# Altium PCB Copy of 211105 PCB.PcbDoc (part 3 of 3)
Units mm, origin at the board's own origin, x right, y up, seen from the top; angles counter-clockwise.
Board outline 140 x 119 mm, 4 copper layers (Top Layer, Int1 (GND), Int2 (PWR), Bottom Layer), stack 1.369 mm thick; 309 components, 158 nets, 868 pads, 882 vias.
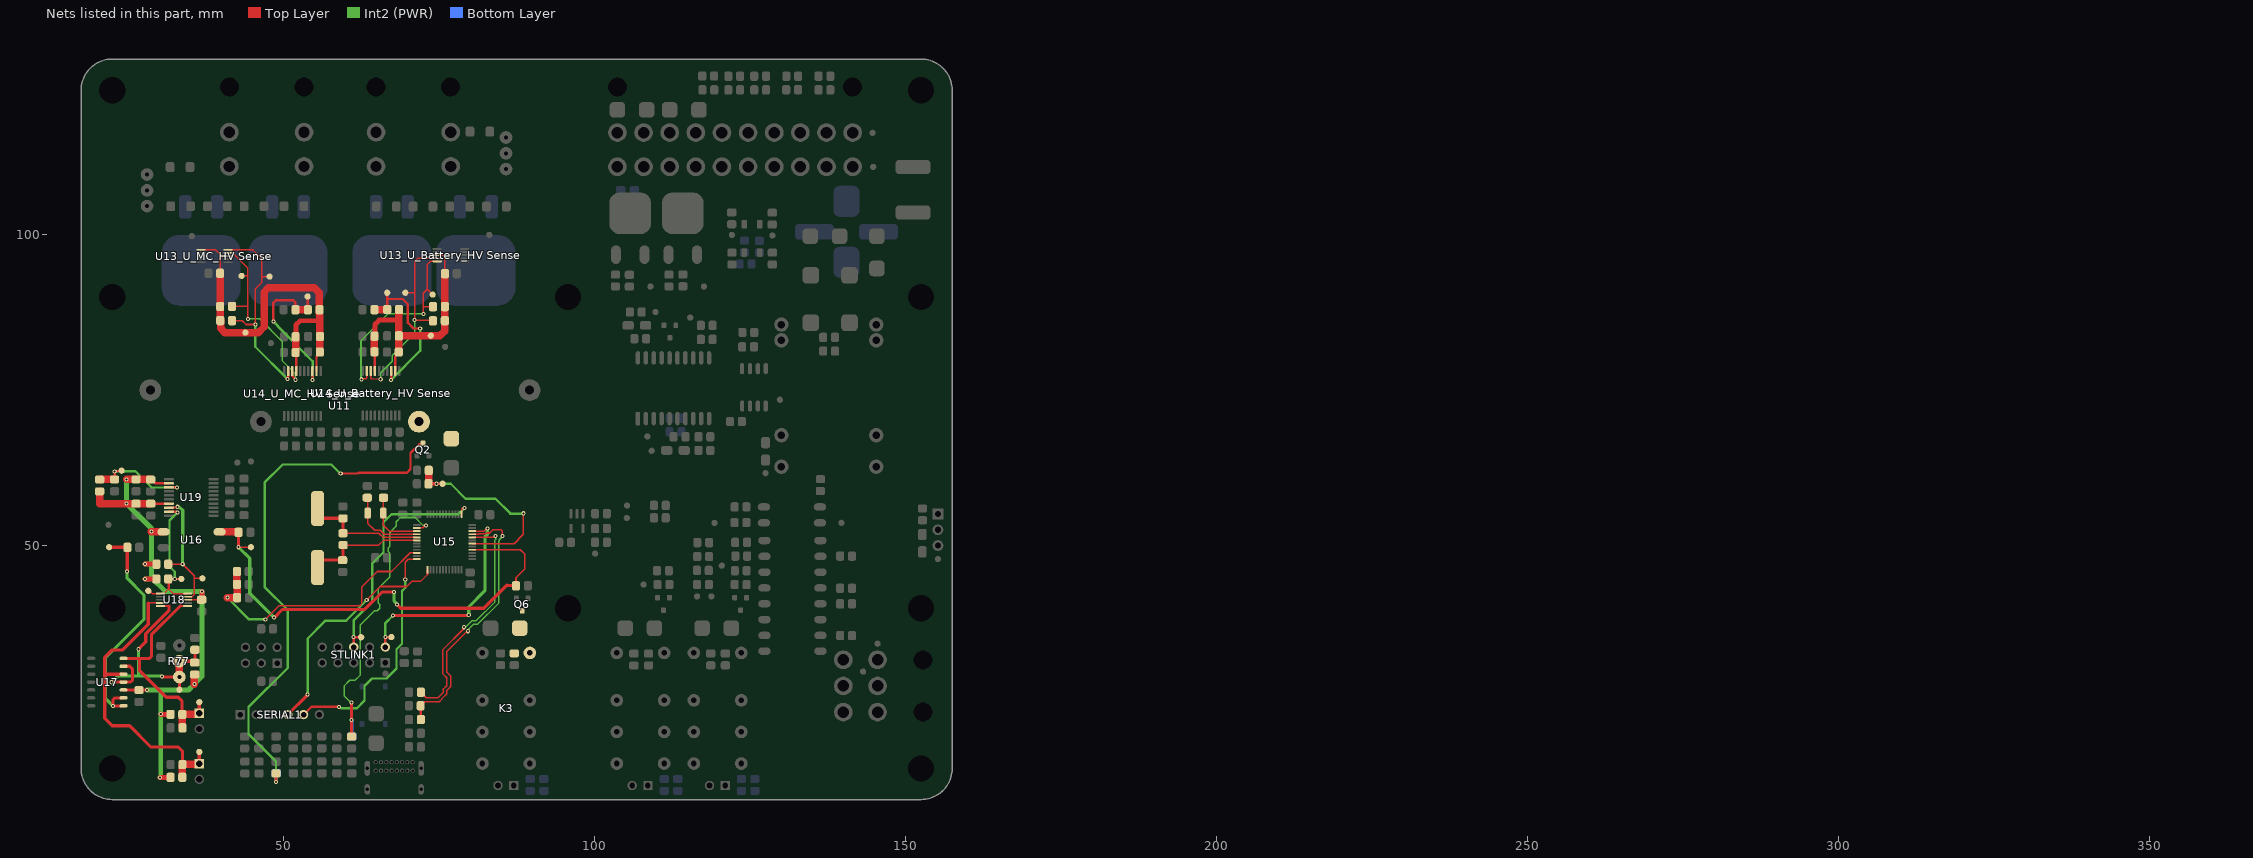
[diagram p5: the nets of this part, all layers, seen from the top]

## Via types
v1: diameter 0.66, hole 0.33, Top Layer to Bottom Layer, tented both sides, 835 vias
v2: diameter 0.66, hole 0.33, Top Layer to Bottom Layer, 47 vias

## Nets (pads, with @x,y where several pads share a name; then routed paths per layer and width w, separated by ;. In a path a pad name is that pad's centre, name@x,y a point inside that pad or via, vN(x,y) a via of type N, cw(c..) or ccw(c..) an arc to the next point about the centre after c; other vN are vias at no path point) (continued)
PC13: R54.1 R88.1 U15.2 | length 49.5
  Top Layer w0.203: U15.2@71.466,52.891 72.411,52.891 72.82,53.3 v1(72.9,53.3)
  Top Layer w0.508: v1(60.95,24.85) 60.979,24.821 60.979,24.68 60.984,24.674 v2(60.984,22.026) 60.984,19.378 R54.1@60.969,19.362
  Int2 (PWR) w0.254: v1(60.95,24.85) 60.85,24.85 59.765,25.935 59.765,27.506 60.681,28.422 61.538,28.422 62.397,29.281 62.397,37.326 64.66,39.589 65.095,39.589 65.511,40.005 65.511,40.595 65.273,40.833 65.273,43.184 67.079,44.99 67.079,48.915 66.889,49.105 66.889,49.695 67.1,49.906 67.1,52.135 68.165,53.2 68.165,53.9 68.844,54.579 71.186,54.579 72.465,53.3 v1(72.9,53.3)
  Bottom Layer w0.508: v2(60.984,22.026) 60.995,22.016 60.995,19.37 R88.1@61.005,19.36
"PCB TEMP": C36.2 R53.1 R84.2 U15.10 | length 43.7
  Top Layer w0.254: v1(47.1,38.2) 49.3,40.4 62.3,40.4 62.636,40.736 62.636,43.436 65.1,45.9 67.4,45.9 70.391,48.891 U15.10@71.466,48.891
  Top Layer w1.2: v1(41,41.7) R53.1@42.572,41.7 ; R84.2@42.55,45.9 C36.2@42.55,43.814 42.562,43.802 42.562,41.71 R53.1@42.572,41.7 ; R53.1@42.574,41.697 R53.1@42.572,41.7
  Int2 (PWR) w0.381: v1(41,41.7) 44.5,38.2 v1(47.1,38.2)
PCH_OC: D9.A D10.K D34.K Q2.D U11.3 | length 87.7
  Top Layer w0.381: v1(59.225,61.65) 61.955,61.65 62.08,61.775 69.875,61.775 70.45,62.35 70.45,64.925 71.848,66.323 72.273,66.323 Q2.D@72.45,66.5
  Top Layer w0.508: D10.K@48.823,13.426 48.824,13.425 v1(48.825,12.05) v1(48.825,12.05)
  Int2 (PWR) w0.381: v1(48.825,12.05) 48.82,12.055 48.82,15.344 44.4,19.764 44.4,24.1 50.7,30.4 50.7,39.7 47,43.4 47,60.2 49.9,63.1 57.7,63.1 59.15,61.65 v1(59.225,61.65)
  Bottom Layer w0.5: v1(48.825,12.05) 48.841,12.066 48.841,13.471 D34.K@48.856,13.487
"PDOC OK": R75.1 TP35.1 U17.1 U17.2 | length 37.2
  Top Layer w0.508: TP35.1@22,49.8 22.013,49.787 24.925,49.787 R75.1@24.938,49.774 24.919,49.755 24.919,45.919 v1(24.9,45.9) ; v1(22.6,24.3) v1@22.608,24.308 ; U17.1@24.325,24.315 24.318,24.308 v1@22.608,24.308 ; U17.2@24.325,25.585 22.927,25.585 22.629,25.287 22.629,24.329 v1@22.608,24.308
  Int2 (PWR) w0.508: v1(22.6,24.3) 21.4,25.5 21.4,32 27.6,38.2 27.6,42.1 24.9,44.8 v1(24.9,45.9)
"PDOC OK (ISO)": R42.1 R73.1 TP22.1 U15.28 U16.4 | length 79.6
  Top Layer w0.254: v1(42.8,49.8) TP22.1@44.8,49.8 ; U15.28@80.366,49.391 86.909,49.391 86.919,49.4 88.1,49.4 88.8,48.7 88.8,46.3 87.4,44.9 R42.1@87.4,43.6
  Top Layer w0.508: v1(42.8,49.8) R73.1@42.8,52.2 ; v1(48.521,38.479) 49.858,39.816 63.116,39.816 65.9,42.6 v1(67.8,42.6) ; v1(68.3,40.6) 68.9,40 82.2,40 85.9,43.7 85.929,43.671 R42.1@87.329,43.671
  Top Layer w1.2: U16.4@39.75,52.27 42.75,52.27 42.8,52.22 R73.1@42.8,52.2
  Int2 (PWR) w0.508: v1(42.8,49.8) 44.6,48 44.6,42.4 v1(48.521,38.479) ; v1(67.8,42.6) 67.8,41.141 68.3,40.641 v1(68.3,40.6)
"PDOC Temperature Amp Measure 1": "PDOC Sensor 1.2" C45.2 R74.1 TP34.1 U17.5 U18.4 | length 50.9
  Top Layer w0.254: 28.3,40.85 U18.4@30.232,40.85
  Top Layer w0.508: U17.5@24.325,29.395 21.305,29.395 21.3,29.4 ; 28.3,40.85 28.3,37.4 24.2,33.3 22.5,33.3 21.3,32.1 21.3,29.4 ; C45.2@33.786,14.874 33.786,14.887 33.786,17.014 33.1,17.7 28.7,17.7 25.3,21.1 22.5,21.1 21.3,22.3 21.3,29.4 ; 36.5,15 TP34.1@36.5,16.9
  Top Layer w1.2: R74.1@33.762,12.826 33.774,12.838 33.774,14.862 C45.2@33.786,14.874 ; C45.2@33.786,14.887 33.836,14.937 36.437,14.937 36.5,15
"PDOC Temperature Amp Measure 2": "PDOC Sensor 2.2" C57.2 R81.1 TP41.1 U17.7 U18.6 | length 35.6
  Top Layer w0.254: 33.435,40.35 U18.6@34.632,40.35
  Top Layer w0.508: U17.7@24.325,31.935 26.855,31.935 26.86,31.94 ; 33.435,40.35 28.8,35.715 28.8,32.238 28.502,31.94 26.86,31.94 ; R81.1@33.762,22.926 33.7,22.988 33.7,25.1 33.1,25.7 31.2,25.7 26.86,30.04 26.86,31.94 ; 36.5,23.1 TP41.1@36.5,24.9
  Top Layer w1.2: C57.2@33.786,20.774 33.774,20.786 33.774,22.914 R81.1@33.762,22.926 36.326,22.926 36.5,23.1
"PDOC Temperature Ref": C47.2 R76.1 R77.1 R77.2 TP36.1 U17.4 U17.6 U18.5 | length 41.7
  Top Layer w0.254: U18.5@30.232,40.35 31.6,40.35
  Top Layer w0.508: v1(22.4,28.1) 22.415,28.115 24.315,28.115 24.335,28.135 25.452,28.135 25.75,28.432 25.75,30.25 25.335,30.665 U17.6@24.325,30.665 ; v1(26.7,33.4) 27.9,34.6 27.9,35.9 31.6,39.6 31.6,40.35 ; v1(30.5,29) 30.562,28.938 R77.1@33.282,28.938 33.291,28.929 33.291,26.909 TP36.1@33.3,26.9 ; R77.2@33.282,31.478 R76.1@35.7,31.478 ; R76.1@35.782,31.518 C47.2@35.782,33.318
  Top Layer w1.2: R77.1@33.282,28.938 R77.2@33.282,31.478
  Int2 (PWR) w0.508: v1(22.4,28.1) 23.389,29.089 26.7,29.089 ; v1(26.7,33.4) 26.7,29.089 ; v1(30.5,29) 30.459,29 30.37,29.089 26.7,29.089
PDOC_OC: D18.A K3.1 Q6.D R41.1
"Precharge Relay (ISO)": R20.1 R22.2 TP15.1 U15.30 | length 32.6
  Top Layer w0.203: U15.30@80.366,50.391 87.091,50.391 88.568,51.868 88.568,55.218 v1(88.602,55.252)
  Top Layer w0.381: v1(74.6,60) TP15.1@75.6,60
  Top Layer w0.508: R22.2@73.35,60 v1(74.6,60)
  Top Layer w1.2: R22.2@73.35,60 73.362,60.012 73.362,62.14 R20.1@73.374,62.152
  Int2 (PWR) w0.381: v1(74.6,60) 76.9,60 79.3,57.6 84.095,57.6 86.497,55.199 88.549,55.199 v1(88.602,55.252)
SCL: "U14_U_Battery_HV Sense.2" "U14_U_MC_HV Sense.2" R60.1 TP29.1 U15.42 U19.2 | length 71
  Top Layer w0.254: U15.42@76.166,55.091 76.166,55.966 v1(76.9,56.7)
  Top Layer w0.381: v1(37.3,55.4) 37.376,55.4 37.491,55.515 38.79,55.515 U19.2@38.8,55.525 ; v1(41.95,64.1) 41.95,64.075 42.6,63.425 TP29.1@42.6,63.4 ; 50.782,70.9 50.791,70.909 50.791,72.191 v1(50.8,72.2) ; R60.1@58.538,68.3 58.569,68.331 58.569,69.769 v1(58.6,69.8) 58.676,69.8 58.891,69.585 v1(63.433,69.585) 63.433,70.956
  Int2 (PWR) w0.381: v1(37.3,55.4) 39,57.1 39,61.863 41.6,64.463 ; v1(41.95,64.1) 41.95,64.113 41.6,64.463 ; v1(58.6,69.8) 56.5,69.8 55.3,71 52.7,71 51.5,72.2 v1(50.8,72.2) 50.8,70.5 50,69.7 50,69.1 46.3,65.4 42.537,65.4 41.6,64.463 ; v1(63.433,69.585) 63.433,63.667 64.6,62.5 66.785,62.5 68.447,60.838 71.334,60.838 73.01,59.162 76.538,59.162 76.9,58.8 v1(76.9,56.7)
SCL: R79.1 TP37.1 TP38.1 U18.1 U18.10 U19.19 | length 23.3
  Top Layer w0.254: TP37.1@28.467,42.8 28.918,42.35 U18.1@30.232,42.35 ; U18.1@30.807,42.35 31.558,43.1 32.308,42.35 U18.10@34.632,42.35
  Top Layer w0.381: TP37.1@28.3,42.8 TP37.1@28.467,42.8 ; R79.1@31.5,44.705 R79.1@31.503,44.703 ; 31.558,43.1 31.558,44.647 R79.1@31.503,44.703 ; U19.19@31.6,55.525 31.609,55.515 32.794,55.515 32.924,55.386 v1(33,55.386) ; TP38.1@33.6,44.7 33.597,44.703 v1(32.55,44.703) R79.1@31.503,44.703
  Int2 (PWR) w0.381: v1(32.55,44.703) 32.55,45.85 31.7,46.7 31.7,54.086 v1(33,55.386)
"SCL_U_Battery_HV Sense": "R47_U_Battery_HV Sense.1" "TP25_U_Battery_HV Sense.1" "U13_U_Battery_HV Sense.10" "U14_U_Battery_HV Sense.19" | length 32.9
  Top Layer w0.254: v1(62.533,76.789) 62.611,76.866 63.284,76.866 63.433,77.015 63.433,78.156 ; v1(72.5,87.3) 72.5,88.5 ; 74,90.4 73.15,91.25 ; 74.062,88.471 72.529,88.471 72.5,88.5 ; 74.738,95.75 73.65,95.75 73.15,95.25 73.15,91.25 ; 72.5,88.5 72.5,90.6 73.15,91.25
  Int2 (PWR) w0.254: v1(62.533,76.789) 62.486,76.836 62.486,82.986 66.8,87.3 v1(72.5,87.3)
"SCL_U_MC_HV Sense": "R47_U_MC_HV Sense.1" "TP25_U_MC_HV Sense.1" "U13_U_MC_HV Sense.10" "U14_U_MC_HV Sense.19" | length 34.4
  Top Layer w0.254: 41.138,97.6 41.161,97.577 45.123,97.577 46.5,96.2 46.5,93.3 ; 41.762,86.218 41.78,86.2 43.4,86.2 44,85.6 v1(45.5,85.6) 45.5,91.3 46.5,92.3 46.5,93.3 ; 47.8,93.3 46.5,93.3
  Top Layer w0.381: v1(50.649,76.858) 50.702,76.911 50.702,77.102 50.773,77.173 50.773,78.09 50.782,78.1
  Int2 (PWR) w0.381: v1(45.5,85.6) 45.5,82.007 v1(50.649,76.858)
SDA: "U14_U_Battery_HV Sense.3" "U14_U_MC_HV Sense.3" R61.1 TP30.1 U15.43 U19.3 | length 67.9
  Top Layer w0.203: U15.43@75.666,55.091 75.666,56.112 75.978,56.424
  Top Layer w0.254: 75.978,56.424 v1(75.978,57.422)
  Top Layer w0.381: U19.3@38.8,56.175 38.809,56.165 39.847,56.165 39.952,56.061 v1(40.027,56.061) ; TP30.1@44.8,63.6 v1(45.7,62.7) ; v1(51.298,69.657) 51.298,69.732 51.423,69.857 51.423,70.89 51.432,70.9 ; v1(58.5,64.6) 58.519,64.619 58.519,66.056 R61.1@58.538,66.075 ; 64.092,71.502 v1@64.092,72.392
  Top Layer w0.508: v1@64.092,72.392 v1(64.1,72.4)
  Int2 (PWR) w0.381: v1(40.027,56.061) 46.233,62.267 46.209,62.267 ; v1(45.7,62.7) 45.776,62.7 46.209,62.267 ; v1(51.298,69.657) 51.298,68.4 ; v1(64.1,72.4) 58.5,66.8 ; v1(75.978,57.422) 74.989,57.422 74.886,57.525 64.35,57.525 63.438,58.437 63.438,61.547 61.926,63.059 60.041,63.059 v1(58.5,64.6) 58.5,64.612 58.5,66.8 ; 46.209,62.267 51.298,67.356 51.298,68.4 ; 51.298,68.4 53.6,68.4 55.2,66.8 58.5,66.8
SDA: R80.1 TP39.1 U18.9 U19.18 | length 21.7
  Top Layer w0.254: R80.1@31.5,47.07 v1(33.83,47.07) 35.7,45.2 35.7,44.8 ; U18.9@34.632,41.85 34.655,41.873 35.382,41.873 35.7,42.191 35.7,44.8 ; TP39.1@37,44.8 35.7,44.8
  Top Layer w0.381: U19.18@31.6,56.175 31.609,56.184 32.809,56.184 32.924,56.3 v1(33,56.3)
  Int2 (PWR) w0.508: v1(33,56.3) 33.029,56.271 33.3,56.271 33.838,55.733 33.838,51.456 33.8,51.418 v1@33.8,47.1
"SDA_U_Battery_HV Sense": "R48_U_Battery_HV Sense.1" "TP26_U_Battery_HV Sense.1" "U13_U_Battery_HV Sense.9" "U14_U_Battery_HV Sense.18" | length 32.3
  Top Layer w0.254: 64.083,78.156 64.083,77.105 64.083,77.005 64.153,76.857 cw(c64.1,72.4) 64.294,76.853 v1(65.653,76.794) ; 69.6,90.7 71.1,90.7 ; 74.051,86.187 73.938,86.3 v1(71.1,86.3) 71.1,90.7 ; 74.738,96.25 71.65,96.25 71.1,95.7 71.1,90.7
  Int2 (PWR) w0.254: v1(65.653,76.794) 65.653,77.828 67.5,79.675 67.5,80.6 71.1,84.2 v1(71.1,86.3)
"SDA_U_MC_HV Sense": "R48_U_MC_HV Sense.1" "TP26_U_MC_HV Sense.1" "U13_U_MC_HV Sense.9" "U14_U_MC_HV Sense.18" | length 31.6
  Top Layer w0.254: 41.138,97.1 41.161,97.077 41.887,97.077 44.3,94.664 44.3,93.4 44.3,93.3 ; 41.75,88.503 44.3,88.503 ; 43.3,93.4 44.2,93.4 44.3,93.3 ; v1(44.3,86.5) 44.3,88.503 ; 44.3,88.503 44.3,93.3
  Top Layer w0.381: 51.432,78.1 51.442,78.09 51.442,77.314 51.892,76.864 51.892,76.77 v1(51.946,76.717)
  Int2 (PWR) w0.254: v1(44.3,86.5) 46.206,86.5 49.8,82.906 49.8,79.8 51.946,77.654 v1(51.946,76.717)
SWCLK: STLINK1.6 TP44.1 U15.37 | length 38.6
  Top Layer w0.203: U15.37@78.666,55.091 78.666,55.981 78.785,56.1 v1(79.1,56.1)
  Top Layer w0.381: STLINK1.6@61.31,33.76 v1(61.31,35.34) 61.317,35.332 TP44.1@62.518,35.332 TP44.1@62.525,35.325
  Int2 (PWR) w0.381: v1(61.31,35.34) 61.3,35.35 61.3,38 64.3,41 64.3,47.2 66.1,49 66.1,53.802 67.398,55.1 78.1,55.1 v1(79.1,56.1)
SWDIO: STLINK1.2 TP43.1 U15.34 | length 36.5
  Top Layer w0.254: U15.34@80.366,52.391 82.281,52.391 82.69,52.8 v1(82.8,52.8)
  Top Layer w0.381: STLINK1.2@66.4,33.75 v1(66.4,35.35) TP43.1@67.375,35.35
  Top Layer w0.508: v1(67.6,38.8) 79.659,38.8 79.759,38.9 v1(79.8,38.9)
  Int2 (PWR) w0.381: v1(66.4,35.35) 66.4,37.6 v1(67.6,38.8)
  Int2 (PWR) w0.508: v1(79.8,38.9) 79.8,40.2 82.4,42.8 82.4,51.454 82.771,51.825 82.771,52.771 v1(82.8,52.8)
UARTRX: SERIAL1.5 U15.12 | length 39.3
  Top Layer w0.203: v1(69.6,44.6) 69.6,47.4 70.091,47.891 U15.12@71.466,47.891
  Top Layer w0.381: SERIAL1.5@53.288,22.9 54.538,24.15 v1(58.975,24.15)
  Int2 (PWR) w0.381: v1(58.975,24.15) 59.051,24.15 59.276,23.925 61.82,23.925 63.05,25.155 63.05,27.5 64.26,28.71 66.605,28.71 68.2,30.305 68.2,33.4 69.075,34.275 69.075,42.77 69.6,43.295 v1(69.6,44.6)
UARTTX: SERIAL1.4 U15.13 | length 37.9
  Top Layer w0.254: v1@63.447,41.3 v1(63.4,41.3) 65.589,43.489 69.819,43.489 70.63,44.3 72.051,44.3 73.166,45.415 U15.13@73.166,46.191
  Top Layer w0.508: SERIAL1.4@50.72,22.9 50.72,22.91 53.9,26.09 v1(53.9,26.1)
  Int2 (PWR) w0.381: v1(53.9,26.1) 53.9,35.1 56.8,38 60.1,38 v1(63.4,41.3)
USB_N: R68.2 U15.32 | length 37.8
  Top Layer w0.254: R68.2@72.103,26.489 72.992,25.6 74.859,25.6 75.735,26.476 75.735,27.024 76.265,27.554 76.265,28.831 75.654,29.442 75.654,33.35 78.903,36.599 78.903,36.686 79.053,36.837 v1(79.053,36.947) ; U15.32@80.366,51.391 83.804,51.391 83.99,51.577 v1(84.1,51.577)
  Int2 (PWR) w0.254: v1(79.053,36.947) 79.131,37.024 79.367,37.024 80.324,37.981 80.981,37.981 84.011,41.011 84.011,50.945 84.122,51.057 84.122,51.554 v1(84.1,51.577)
USB_P: R66.1 R67.2 U15.33 | length 43.3
  Top Layer w0.254: R66.1@72.079,24.325 72.719,24.965 75.065,24.965 75.437,25.337 75.437,25.394 76.289,26.246 76.289,26.795 76.819,27.325 76.819,27.358 76.9,27.439 76.9,29.094 76.289,29.705 76.289,33.087 79.352,36.15 79.44,36.15 79.59,36.3 v1(79.7,36.3) ; U15.33@80.366,51.891 81.347,51.891 81.39,51.934 82.57,51.934 82.725,52.089 83.195,52.089 83.706,52.6 85,52.6 85.2,52.4 v1(85.2,51.6)
  Top Layer w0.381: R66.1@72.079,24.325 72.091,24.313 72.091,22.112 R67.2@72.103,22.099
  Int2 (PWR) w0.254: v1(79.7,36.3) 79.778,36.378 79.778,36.614 80.564,37.4 81.222,37.4 84.592,40.77 84.592,50.705 84.703,50.816 84.703,50.993 85.2,51.49 v1(85.2,51.6)
VDDISO: C46.2 C48.1 C49.2 C50.2 C51.2 C52.1 R74.2 R76.2 R79.2 R80.2 R81.2 R82.2 U16.1 U17.3 U18.8 U19.12 U19.17 | length 104.1
  Top Layer w0.254: U18.8@34.632,41.35 34.639,41.356 36.868,41.356 C48.1@36.874,41.362
  Top Layer w0.381: C52.1@28.669,60.676 28.841,60.676 29.442,60.075 U19.12@31.6,60.075 ; C50.2@28.7,56.8 28.716,56.815 31.59,56.815 U19.17@31.6,56.825
  Top Layer w0.508: U17.3@24.325,26.855 24.334,26.846 26.793,26.846 C46.2@26.801,26.838 26.807,26.844 28.094,26.844 v1(28.1,26.85)
  Top Layer w0.8: v1(27.8,44.7) 27.805,44.705 R79.2@29.6,44.705 ; v1(27.8,47.1) 27.83,47.07 R80.2@29.6,47.07 ; v1(30.2,12.8) 30.226,12.826 R74.2@31.862,12.826 ; v1(30.3,23) 30.374,22.926 R81.2@31.862,22.926 ; C48.1@36.874,41.362 36.9,41.388 v1(36.9,42.7)
  Top Layer w1.2: R82.2@20.474,58.776 20.489,58.76 20.489,56.816 20.505,56.8 v1(24.8,56.8) C49.2@26.335,56.8 C50.2@28.7,56.8 ; v1(24.8,60.7) C51.2@26.335,60.7 26.347,60.688 28.656,60.688 C52.1@28.669,60.676 ; v1(28.8,52.3) 28.83,52.27 U16.1@30.75,52.27 ; v1(35.7,27.8) 35.7,29.309 35.75,29.359 R76.2@35.763,29.359 R76.2@35.813,29.309
  Int2 (PWR) w0.8: v1(24.8,60.7) v1(24.8,56.8) 28.8,52.8 28.8,47.1 ; v1(27.8,44.7) 28.6,44.7 28.8,44.9 ; v1(27.8,47.1) 28.8,47.1 ; v1(28.1,26.85) 30.3,26.85 ; v1(30.2,12.8) 30.3,12.9 30.3,26.85 ; 28.8,44.9 28.8,47.1 ; 28.8,44.9 31,42.7 v1(36.9,42.7) 36.9,29 v1(35.7,27.8) 34.75,26.85 30.3,26.85
"VDDISO_U_Battery_HV Sense": "C27_U_Battery_HV Sense.1" "C28_U_Battery_HV Sense.2" "C29_U_Battery_HV Sense.2" "C30_U_Battery_HV Sense.2" "C31_U_Battery_HV Sense.1" "R47_U_Battery_HV Sense.2" "R48_U_Battery_HV Sense.2" "R51_U_Battery_HV Sense.2" "TP23_U_Battery_HV Sense.1" "U13_U_Battery_HV Sense.8" "U14_U_Battery_HV Sense.12" "U14_U_Battery_HV Sense.17" | length 42.3
  Top Layer w0.254: 74.738,96.75 74.74,96.748 75.652,96.748 75.978,96.422 75.978,93.774
  Top Layer w0.381: 64.651,81.192 64.724,81.119 64.724,78.166 64.733,78.156 ; 67.983,78.156 67.983,80.43 68.551,80.998 68.551,81.171
  Top Layer w0.8: 64.701,83.768 64.701,85.601 65.398,86.298 68.587,86.298
  Top Layer w1.2: 64.651,81.192 64.651,83.718 64.701,83.768 ; 68.551,81.171 68.563,81.183 68.563,83.758 68.575,83.77 ; 68.587,87.587 68.587,86 68.587,83.783 68.575,83.77 ; 68.587,87.987 68.6,88 ; 75.978,93.774 75.961,93.758 75.961,88.471 75.945,88.455 75.951,88.449 75.951,86.187 75.957,86.181 75.907,86.131 75.907,84.523 75.154,83.77 73.7,83.77 68.575,83.77
"VDDISO_U_MC_HV Sense": "C27_U_MC_HV Sense.1" "C28_U_MC_HV Sense.2" "C29_U_MC_HV Sense.2" "C30_U_MC_HV Sense.2" "C31_U_MC_HV Sense.1" "R47_U_MC_HV Sense.2" "R48_U_MC_HV Sense.2" "R51_U_MC_HV Sense.2" "TP23_U_MC_HV Sense.1" "U13_U_MC_HV Sense.1" "U13_U_MC_HV Sense.8" "U14_U_MC_HV Sense.12" "U14_U_MC_HV Sense.17" | length 63.8
  Top Layer w0.254: 36.738,97.6 39.1,97.6 40.1,96.6 ; 39.853,93.826 39.853,96.353 40.1,96.6 ; 41.138,96.6 40.1,96.6
  Top Layer w0.381: 51.98,81.101 52.073,81.008 52.073,78.109 52.082,78.1 ; 55.332,78.1 55.332,80.471 55.874,81.013 55.874,81.186
  Top Layer w0.8: 52.03,83.677 52.03,85.53 52.7,86.2 55.862,86.2
  Top Layer w1.2: 39.853,93.826 39.852,93.825 39.852,88.504 39.85,88.503 39.856,88.497 39.856,86.224 39.862,86.218 39.912,86.168 39.912,85.003 40.615,84.3 43.9,84.3 46,84.3 46.9,85.2 46.9,90.797 47.603,91.5 55,91.5 55.8,90.7 55.8,87.974 55.8,87.137 55.862,87.075 55.862,86.2 55.862,83.667 55.874,83.655 55.874,81.186 ; 51.98,81.101 51.98,83.627 52.03,83.677
VSEL: R82.1 R83.2 TP42.1 U19.13 | length 17.2
  Top Layer w0.381: R83.2@22.858,60.688 R83.2@22.87,60.7 22.885,60.715 22.885,61.985 v1(22.9,62) 22.95,62.05 23.95,62.05 TP42.1@24,62.1 ; U19.13@31.6,59.425 31.609,59.415 32.884,59.415 v1(32.9,59.4)
  Top Layer w1.2: R82.1@20.474,60.676 20.486,60.688 R83.2@22.858,60.688
  Int2 (PWR) w0.381: v1(22.9,62) 26.25,62 28.85,59.4 v1(32.9,59.4)
"VSEL_U_Battery_HV Sense": "R51_U_Battery_HV Sense.1" "R52_U_Battery_HV Sense.2" "TP28_U_Battery_HV Sense.1" "U14_U_Battery_HV Sense.13" | length 25.5
  Top Layer w0.381: 65.6,88 65.613,87.987 65.669,87.987 ; 66.687,87.987 66.7,88 66.7,89.7 ; 66.7,90.7 66.7,89.7 ; v1(67.3,76.7) 67.324,76.724 67.324,78.147 67.333,78.156 ; v1(72,84.954) 70.946,84.954 70,85.9 70,88.9 69.2,89.7 66.7,89.7
  Top Layer w1.2: 64.638,87.974 64.651,87.987 65.613,87.987 ; 65.669,87.987 66.687,87.987
  Int2 (PWR) w0.381: v1(67.3,76.7) 72,81.4 v1(72,84.954)
"VSEL_U_MC_HV Sense": "R51_U_MC_HV Sense.1" "R52_U_MC_HV Sense.2" "TP28_U_MC_HV Sense.1" "U14_U_MC_HV Sense.13" | length 25.6
  Top Layer w0.381: v1(48.4,86.1) 48.4,89.1 48.8,89.5 51.6,89.5 51.8,89.3 51.938,89.162 51.938,87.974 ; 53.9,90.1 53.919,90.081 53.919,87.993 53.938,87.974 ; 54.682,78.1 54.682,76.718 v1(54.7,76.7)
  Top Layer w1.2: 51.938,87.974 53.938,87.974
  Int2 (PWR) w0.381: v1(48.4,86.1) 49.122,85.378 49.122,85.278 54.7,79.7 v1(54.7,76.7)
XTALA: C41.2 R69.2 U15.5 X1.2 | length 19.8
  Top Layer w0.254: R69.2@59.6,52.05 65.35,52.05 66.009,51.391 U15.5@71.466,51.391
  Top Layer w0.508: X1.2@55.505,56.033 55.505,55.22 56.28,54.445 C41.2@59.579,54.445 59.589,54.434 59.589,52.061 R69.2@59.6,52.05
XTALB: C42.2 R69.1 U15.6 X1.1 | length 19.4
  Top Layer w0.254: R69.1@59.6,50.15 65.35,50.15 66.091,50.891 U15.6@71.466,50.891
  Top Layer w0.508: X1.1@55.505,46.533 55.505,46.945 56.28,47.721 C42.2@59.531,47.721 59.566,47.755 59.566,50.116 R69.1@59.6,50.15
XTALC: C43.2 U15.3 X2.2 | length 10.2
  Top Layer w0.254: C43.2@66.092,57.75 66.069,57.726 X2.2@66.069,55.288 66.069,53.331 67.009,52.391 U15.3@71.466,52.391
XTALD: C44.2 U15.4 X2.1 | length 12.8
  Top Layer w0.254: C44.2@63.492,57.75 63.569,57.673 X2.1@63.569,55.288 63.569,53.631 64.693,52.507 65.593,52.507 66.209,51.891 U15.4@71.466,51.891
pads on no net: "HV BATTERY+1." "HV BATTERY-1." "HV MC+1." "HV MC-1." "PRIMARY INTERFACE1." "U13_U_Battery_HV Sense.2" "U13_U_Battery_HV Sense.5" "U13_U_Battery_HV Sense.6" "U13_U_Battery_HV Sense.7" "U13_U_MC_HV Sense.2" "U13_U_MC_HV Sense.5" "U13_U_MC_HV Sense.6" "U13_U_MC_HV Sense.7" "U14_U_Battery_HV Sense.6" "U14_U_Battery_HV Sense.15" "U14_U_MC_HV Sense.6" "U14_U_MC_HV Sense.15" C16.0 K1.6 K1.11 K2.6 K2.11 K3.6 K3.11 K4.1 K4.3 P1. P2.A8 P2.B8 P2.P2 P2.P3 P2.P4 R16. R17. R19. R21. SERIAL1.2 SERIAL1.6 STLINK1.5 U1.2 U1.14 U6.9 U6.11 U15.11 U15.14 U15.15 U15.27 U15.40 U15.41 U17.8 U17.9 U17.10 U17.11 U17.13 U17.14 U18.2 U18.7 U19.6 U19.15

## Polygon pours and split planes (outlines as drawn)
GLV- on Top Layer "GLV-_L01_P164" (solid, remove dead copper, pour order 164): 99.968,128.525 99.968,94.025 101.468,92.525 101.468,76.525 132.968,76.525 132.968,27.025 79.968,27.025 79.968,9.025 157.468,9.025 157.468,127.525 157.968,128.025
"0V (ISO)" on Top Layer "0V_(ISO)_L01_P165" (solid, remove dead copper, pour order 165): 35.968,64.025 43.968,72.025 75.468,72.025 84.468,63.025 94.468,63.025 101.468,70.025 101.468,74.525 130.968,74.525 130.968,29.025 77.968,29.025 77.968,9.025 39.968,9.025 39.968,48.525 35.968,48.525
GNDISO on Top Layer "GNDISO_L01_P168" (solid, remove dead copper, pour order 168): 17.5,63 34.1,63 34.1,46.7 38.3,46.7 38.3,9.2 17.5,9.2
0V on Top Layer "0V_L01_P163" (solid, remove dead copper, pour order 163): 135.468,21.025 148.968,21.025 148.968,34.025 145.968,37.025 145.968,45.025 149.468,48.525 156.168,48.525 156.168,57.025 149.468,57.025 146.968,59.525 146.968,88.025 125.468,88.025 124.468,87.025 124.468,77.7 134.6,77.7 135.468,76.832
"0V (Crystal 16MHZ)" on Top Layer "0V_(CRYSTAL_16MHZ)_L01_P160" (solid, remove dead copper, pour order 160): 65.6,47.2 62.4,47.2 60.8,45.6 60.8,54.7 62.2,54.7 65.6,51.3 65.6,50.5
"3.3V (ISO)" on Top Layer "3.3V_(ISO)_L01_P159" (solid, remove dead copper, pour order 159): 97.34,53.775 100.74,53.775 100.74,49.575 97.34,49.575
CANS on Top Layer "CANS_L01_P151" (solid, remove dead copper, pour order 151): 111.505,89.505 112.4,90.4 119.8,90.4 120.6,91.2 120.6,105.2 121.2,105.8 124.1,105.8 127.1,108.8 136.5,108.8 136.5,107.3 135.2,106 130.7,106 130.1,105.4 130.1,93.2 129,92.1 126.8,92.1 121,86.3 111.457,86.378
"5V (ISO)" on Top Layer "5V_(ISO)_L01_P143" (solid, remove dead copper, pour order 143): 85.822,32.1 85.822,39 81.322,39 81.322,32.1
"5V (ISO)" on Top Layer "5V_(ISO)_L01_P142" (solid, remove dead copper, pour order 142): 107.415,32.1 107.415,39 102.915,39 102.915,32.1
"5V (ISO)" on Top Layer "5V_(ISO)_L01_P141" (solid, remove dead copper, pour order 141): 119.8,32.1 119.8,39 115.3,39 115.3,32.1
PDOC_OC on Top Layer "PDOC_OC_L01_P140" (solid, remove dead copper, pour order 140): 86.022,40.6 90.322,40.6 90.322,32.116 90.338,32.1 86.022,32.1
AMS_OC on Top Layer "AMS_OC_L01_P138" (solid, remove dead copper, pour order 138): 107.615,40.6 111.915,40.6 111.915,32.116 111.931,32.1 107.615,32.1
IMD_OC on Top Layer "IMD_OC_L01_P137" (solid, remove dead copper, pour order 137): 120,40.6 124.3,40.6 124.3,32.116 124.316,32.1 120,32.1
"0V (ISO)" on Top Layer "0V_(ISO)_L01_P136" (solid, remove dead copper, pour order 136): 72.4,65.2 75.2,65.2 75.2,63.1 72.4,63.1
GLV- on Top Layer "GLV-_L01_P135" (solid, remove dead copper, pour order 135): 113,92.6 113,98.6 118,98.6 118,92.6
GLV- on Top Layer "GLV-_L01_P134" (solid, remove dead copper, pour order 134): 104.5,92.6 104.5,98.5 109.5,98.5 109.5,92.6
PCH_OC on Top Layer "PCH_OC_L01_P133" (solid, remove dead copper, pour order 133): 71.175,72 75.5,72 79,68.5 79,65.5 71.175,65.5
GLV- on Top Layer "GLV-_L01_P132" (solid, remove dead copper, pour order 132): 139,91.5 139,96.5 148,96.5 148,91.5
CANS on Top Layer "CANS_L01_P131" (solid, remove dead copper, pour order 131): 104,89.5 121,89.5 121,78.5 104,78.5
"0V (Crystal 16MHZ)" on Top Layer "0V_(CRYSTAL_16MHZ)_L01_P130" (solid, remove dead copper, pour order 130): 61.13,60.633 61.13,42.133 50.63,42.133 50.63,60.633
0V on Top Layer "Top Layer-GLV- 4" (solid, remove dead copper, pour order 128): 138,87.8 146.8,87.8 146.8,80.3 138,80.3
"12V/24V (Filtered)" on Top Layer "Top Layer-12V/24V 2" (solid, remove dead copper, pour order 125): 128.8,87.8 137.4,87.8 137.4,80.3 128.8,80.3
"5V (ISO)" on Top Layer "5V_(ISO)_L01_P124" (solid, remove dead copper, pour order 124): 130.9,58.2 92.95,58.2 89.75,61.4 120.4,61.4 124,65 131,65
"0V (ISO)" on Int1 (GND) "0V_(ISO)_L02_P162" (solid, remove dead copper, pour order 162): 36,64 44,72 75.5,72 84.5,63 94.5,63 101.5,70 101.5,74.5 131,74.5 131,29 78,29 78,9 40,9 40,48.5 36,48.5
GLV- on Int1 (GND) "GLV-_L02_P158" (solid, remove dead copper, pour order 158): 100,128.5 100,94 101.5,92.5 101.5,76.5 133,76.5 133,27 80,27 80,9 157.5,9 157.5,127.5 158,128
0V on Int1 (GND) "0V_L02_P157" (solid, remove dead copper, pour order 157): 135.5,21 149,21 149,32.5 144.8,36.7 144.8,43.8 149.5,48.5 156.2,48.5 156.2,57 149.5,57 147,59.5 147,88 125.5,88 124.5,87 124.5,78.1 134.2,78.1 135.5,76.8
GNDISO on Int1 (GND) "GNDISO_L02_P145" (solid, remove dead copper, pour order 145): 17.5,63.1 34.1,63.1 34.1,46.8 38.3,46.8 38.3,9.3 17.5,9.3
CANS on Int1 (GND) "CANS_L02_P129" (solid, remove dead copper, pour order 129): 104,89.5 104,78.5 121,78.5 121,89.5
CANS on Int1 (GND) "Int1 (GND)-CANS" (solid, remove dead copper, pour order 156): 111.5,86.3 121,86.3 126.8,92.1 129,92.1 130.1,93.2 130.1,105.4 130.9,106.2 134.5,106.2 135.6,107.3 135.6,109.4 134.8,109.4 134.3,108.8 127.1,108.8 124.1,105.8 121.2,105.8 120.6,105.2 120.6,91.2 119.8,90.4 112.4,90.4 111.5,89.5
"0V (Crystal 16MHZ)" on Int1 (GND) "Int1 (GND)-0V (Crystal 16MHZ)" (solid, remove dead copper, pour order 161): 50.4,42.15 60.9,42.15 60.9,45.7 62.4,47.2 65.6,47.2 65.6,51.3 62.2,54.7 60.9,54.7 60.9,60.65 50.4,60.65
"HV MC-" on Int1 (GND) "HV_MC-_L02_P127" (solid, remove dead copper, pour order 127): 57.1,87 57.1,78 46.1,78 46.1,83 50.1,87
"HV Battery-" on Int1 (GND) "HV_BATTERY-_L02_P126" (solid, remove dead copper, pour order 126): 61,87 61,78 72,78 72,83 68,87
"0V (ISO)" on Bottom Layer "0V_(ISO)_L04_P170" (solid, remove dead copper, pour order 170): 101.6,74.5 131,74.5 131,29 78,29 78,9.2 40,9.2 40,48.5 36,48.5 36,63.8 44.1,71.9 75.4,71.9 84.4,62.9 94.5,62.9 101.6,70
GLV- on Bottom Layer "GLV-_L04_P166" (solid, remove dead copper, pour order 166): 100,128.3 100,94 101.515,92.485 101.515,76.465 132.965,76.465 133,76.5 133,27 80,27 80,9.2 157.5,9.2 157.5,128.3
GNDISO on Bottom Layer "GNDISO_L04_P155" (solid, remove dead copper, pour order 155): 17.5,63 34.1,63 34.1,46.7 38.3,46.7 38.3,9.2 17.5,9.2
12V/24V on Bottom Layer "12V/24V_L04_P153" (solid, remove dead copper, pour order 153): 132.198,101.752 138.502,101.752 138.502,96.002 138.5,96 132.2,96
"0V (ISO)" on Int2 (PWR) "0V_(ISO)_L03_P169" (solid, remove dead copper, pour order 169): 35.968,64.225 43.968,72.225 75.468,72.225 84.468,63.225 94.468,63.225 101.468,70.225 101.468,74.725 130.968,74.725 130.968,29.225 77.968,29.225 77.968,9.225 39.968,9.225 39.968,48.725 35.968,48.725
GLV- on Int2 (PWR) "GLV-_L03_P167" (solid, remove dead copper, pour order 167): 99.968,128.725 99.968,94.225 101.468,92.725 101.468,76.725 132.968,76.725 132.968,27.225 79.968,27.225 79.968,9.225 157.468,9.225 157.468,127.725 157.968,128.225
"5V (ISO)" on Int2 (PWR) "5V_(ISO)_L03_P154" (solid, remove dead copper, pour order 154): 81,35.3 81,31 127,31 129.2,33.2 129.2,41.581 121.787,35.3
GNDISO on Int2 (PWR) "GNDISO_L03_P149" (solid, remove dead copper, pour order 149): 17.5,63 34.1,63 34.1,46.7 38.3,46.7 38.3,9.2 17.5,9.2
0V on Int2 (PWR) "0V_L03_P146" (solid, remove dead copper, pour order 146): 135.3,21 148.8,21 148.8,34 145.8,37 145.8,45 149.3,48.5 156,48.5 156,57 149.3,57 146.8,59.5 146.8,88 125.3,88 124.3,87 124.3,77.675 134.432,77.675 135.3,76.806
"3.3V (ISO)" on Int2 (PWR) "3.3V_(ISO)_L03_P152" (solid, remove dead copper, pour order 152): 97.15,53.9 102.5,53.9 102.5,49.7 97.757,49.7 97.15,50.307
"3.3V (ISO)" on Int2 (PWR) "3.3V_(ISO)_L03_P150" (solid, remove dead copper, pour order 150): 69,54 71,54 72.3,52.7 78.2,52.7 78.9,53.4 78.9,55.1 79.3,55.5 80.7,55.5 80.7,45.7 77.6,42.6 77.6,36.4 76,36.4 76,42.7 69,49.7
"5V (ISO)" on Int2 (PWR) "5V_(ISO)_L03_P147" (solid, remove dead copper, pour order 147): 126.1,61.2 129.2,61.2 129.2,58.2 126.1,58.2

## Keep-outs
Keep-Out Layer:
  circle w0.254: c22.5,123.25 r4.8
  circle w0.254: c95.75,90 r5
  circle w0.254: c95.75,40 r5
  circle w0.254: c22.5,40 r5
  circle w0.254: c22.5,90 r5
  circle w0.254: c152.5,123.25 r5
  circle w0.254: c152.5,90 r5
  circle w0.254: c152.5,40 r5
  circle w0.254: c152.5,14.25 r5
  circle w0.254: c22.5,14.25 r5
  lines w0.254: 17.5,14.25 ccw(c22.5,14.25) 22.5,9.25 152.5,9.25 ccw(c152.5,14.25) 157.5,14.25 157.5,123.25 ccw(c152.5,123.25) 152.5,128.25 22.5,128.25 ccw(c22.5,123.25) 17.5,123.25 17.5,14.25

## Other copper
Top Layer:
  rectangle net "3.3V (ISO)": 68.527,53.2 70.6,55.525
  pour cut-out: 63.067,58.4 66.517,58.4 66.569,54.638 66.319,54.638 63.069,54.638
  pour cut-out: 96.108,54.228 96.111,54.231 101.451,54.231 101.451,53.783 101.427,53.758 96.108,53.758
  pour cut-out: 54.221,53.554 56.789,53.554 56.789,49.011 54.221,49.011
  region net 12V/24V: 133.3,101.3 136.2,101.3 136.2,92.1 133.3,92.1
  pour cut-out: 123.5,102.6 127.2,102.6 127.2,96.3 123.5,96.3
  pour cut-out: 147.783,109.891 147.91,110.018 154.47,110.018 154.47,104.215 154.51,104.175 147.69,104.175
Int1 (GND):
  pour cut-out: 123.263,26.433 123.863,26.433 124.798,25.499 124.798,24.899 123.863,23.964 123.263,23.964 122.329,24.899 122.329,25.499
  pour cut-out: 110.878,26.433 111.478,26.433 112.412,25.499 112.412,24.899 111.478,23.964 110.878,23.964 109.943,24.899 109.943,25.499
  pour cut-out: 89.285,26.433 89.885,26.433 90.819,25.499 90.819,24.899 89.885,23.964 89.285,23.964 88.351,24.899 88.351,25.499
  pour cut-out: 62.788,15.9 72.9,15.9 72.9,12.7 62.788,12.7
  pour cut-out: 144.99,84.009 145.59,84.009 146.249,83.35 146.249,82.75 145.59,82.091 144.99,82.091 144.331,82.75 144.331,83.35
  pour cut-out: 144.99,86.549 145.59,86.549 146.249,85.89 146.249,85.29 145.59,84.631 144.99,84.631 144.331,85.29 144.331,85.89
  pour cut-out: 154.9,53.559 155.5,53.559 156.159,52.9 156.159,52.3 155.5,51.641 154.9,51.641 154.241,52.3 154.241,52.9
  pour cut-out: 36.2,13.459 36.8,13.459 37.459,12.8 37.459,12.2 36.8,11.541 36.2,11.541 35.541,12.2 35.541,12.8
  pour cut-out: 36.2,21.559 36.8,21.559 37.459,20.9 37.459,20.3 36.8,19.641 36.2,19.641 35.541,20.3 35.541,20.9
  pour cut-out: 42.8,23.859 43.4,23.859 44.059,23.2 44.059,22.6 43.4,21.941 42.8,21.941 42.141,22.6 42.141,23.2
  pour cut-out: 43.617,34.669 44.217,34.669 44.877,34.01 44.877,33.41 44.217,32.751 43.617,32.751 42.958,33.41 42.958,34.01
  pour cut-out: 43.617,32.129 44.217,32.129 44.877,31.47 44.877,30.87 44.217,30.211 43.617,30.211 42.958,30.87 42.958,31.47
  pour cut-out: 63.56,32.169 64.16,32.169 64.819,31.51 64.819,30.91 64.16,30.251 63.56,30.251 62.901,30.91 62.901,31.51
  pour cut-out: 63.56,34.709 64.16,34.709 64.819,34.05 64.819,33.45 64.16,32.791 63.56,32.791 62.901,33.45 62.901,34.05
  pour cut-out: 140.9,118.1 142.1,118.1 143.15,117.05 143.15,115.85 142.1,114.8 140.9,114.8 139.85,115.85 139.85,117.05
  pour cut-out: 119.9,118.1 121.1,118.1 122.15,117.05 122.15,115.85 121.1,114.8 119.9,114.8 118.85,115.85 118.85,117.05
  pour cut-out: 111.5,112.6 112.7,112.6 113.75,111.55 113.75,110.35 112.7,109.3 111.5,109.3 110.45,110.35 110.45,111.55
  pour cut-out: 103.1,112.6 104.3,112.6 105.35,111.55 105.35,110.35 104.3,109.3 103.1,109.3 102.05,110.35 102.05,111.55
  pour cut-out: 129.75,68.769 130.35,68.769 130.35,68.75 131,68.1 131,67.5 130.999,67.5 130.35,66.851 129.75,66.851 129.091,67.51 129.091,68.11
  pour cut-out: 139.7,25.029 140.3,25.029 141.729,23.6 141.729,23 140.3,21.571 139.7,21.571 138.271,23 138.271,23.6
Int2 (PWR):
  pour cut-out: 123.3,26.431 123.9,26.431 124.834,25.496 124.834,24.896 123.9,23.962 123.3,23.962 122.366,24.896 122.366,25.496
  pour cut-out: 110.915,26.431 111.515,26.431 112.449,25.496 112.449,24.896 111.515,23.962 110.915,23.962 109.98,24.896 109.98,25.496
  pour cut-out: 89.322,26.431 89.922,26.431 90.856,25.496 90.856,24.896 89.922,23.962 89.322,23.962 88.388,24.896 88.388,25.496
  pour cut-out: 143.913,85.89 143.913,83.35 143.913,82.75 144.99,81.673 146.373,81.673 146.4,81.7 146.4,86.3 145.7,87 145.658,86.958 144.923,86.958
  pour cut-out: 140.826,118.078 142.077,118.078 142.1,118.101 143.151,117.05 143.151,115.85 142.174,114.874 142.174,114.822 140.826,114.822 139.849,115.798 139.849,117.05
  pour cut-out: 103.026,112.578 104.277,112.578 104.3,112.601 105.351,111.55 105.351,110.35 104.374,109.374 104.374,109.322 103.026,109.322 102.049,110.298 102.049,111.55
  pour cut-out: 111.426,112.578 112.677,112.578 112.7,112.601 113.751,111.55 113.751,110.35 112.774,109.374 112.774,109.322 111.426,109.322 110.449,110.298 110.449,111.55
  pour cut-out: 119.826,118.078 121.077,118.078 121.1,118.101 122.151,117.05 122.151,115.85 121.174,114.874 121.174,114.822 119.826,114.822 118.849,115.798 118.849,117.05
  pour cut-out: 130.35,63.692 129.75,63.692 129.088,63.03 129.088,62.43 129.75,61.768 130.368,61.768 131,62.4 131,63
  pour cut-out: 62.744,15.9 72.856,15.9 72.856,12.7 62.744,12.7
  pour cut-out: 42.8,23.862 43.428,23.862 44.04,23.25 44.04,22.578 43.4,21.938 42.752,21.938 42.14,22.55 42.14,23.25
  pour cut-out: 36.2,13.462 36.828,13.462 37.44,12.85 37.44,12.178 36.8,11.538 36.152,11.538 35.54,12.15 35.54,12.85
  pour cut-out: 36.2,21.562 36.828,21.562 37.44,20.95 37.44,20.278 36.8,19.638 36.152,19.638 35.54,20.25 35.54,20.95
  pour cut-out: 43.617,34.672 44.245,34.672 44.857,34.06 44.857,33.388 44.217,32.748 43.57,32.748 42.957,33.36 42.957,34.06
  pour cut-out: 43.617,32.132 44.245,32.132 44.857,31.52 44.857,30.848 44.217,30.208 43.57,30.208 42.957,30.82 42.957,31.52
  pour cut-out: 63.56,32.172 64.188,32.172 64.8,31.56 64.8,30.888 64.16,30.248 63.512,30.248 62.9,30.86 62.9,31.56
  pour cut-out: 63.56,34.712 64.188,34.712 64.8,34.1 64.8,33.428 64.16,32.788 63.512,32.788 62.9,33.4 62.9,34.1
  pour cut-out: 129.75,68.772 130.35,68.772 130.35,68.75 131,68.1 131,67.498 130.35,66.848 129.75,66.848 129.088,67.51 129.088,68.11
  pour cut-out: 81.702,34.051 82.302,34.051 83.236,33.116 83.236,32.516 82.302,31.582 81.702,31.582 80.768,32.516 80.768,33.116
  pour cut-out: 115.68,34.051 116.28,34.051 117.214,33.116 117.214,32.516 116.28,31.582 115.68,31.582 114.746,32.516 114.746,33.116
  pour cut-out: 103.295,34.051 103.895,34.051 104.829,33.116 104.829,32.516 103.895,31.582 103.295,31.582 102.36,32.516 102.36,33.116
Bottom Layer:
  pour cut-out: 123.263,26.433 123.863,26.433 124.798,25.499 124.798,24.899 123.863,23.964 123.263,23.964 122.329,24.899 122.329,25.499
  pour cut-out: 110.878,26.433 111.478,26.433 112.412,25.499 112.412,24.899 111.478,23.964 110.878,23.964 109.943,24.899 109.943,25.499
  pour cut-out: 89.285,26.433 89.885,26.433 90.819,25.499 90.819,24.899 89.885,23.964 89.285,23.964 88.351,24.899 88.351,25.499
  pour cut-out: 62.844,15.9 72.956,15.9 72.956,12.7 62.844,12.7
  pour cut-out: 119.9,118.1 121.1,118.1 122.15,117.05 122.15,115.85 121.1,114.8 119.9,114.8 118.85,115.85 118.85,117.05
  pour cut-out: 111.5,112.6 112.7,112.6 113.75,111.55 113.75,110.35 112.7,109.3 111.5,109.3 110.45,110.35 110.45,111.55
  pour cut-out: 103.1,112.6 104.3,112.6 105.35,111.55 105.35,110.35 104.3,109.3 103.1,109.3 102.05,110.35 102.05,111.55
  pour cut-out: 71.848,15.653 72.448,15.653 72.858,15.243 72.858,13.288 72.448,12.878 71.848,12.878 71.504,13.222 71.504,15.3
  pour cut-out: 42.141,23.2 42.8,23.859 43.464,23.859 44.05,23.273 44.05,22.59 43.401,21.941 42.8,21.941 42.141,22.6
  pour cut-out: 35.541,12.8 36.2,13.459 36.864,13.459 37.45,12.873 37.45,12.19 36.801,11.541 36.2,11.541 35.541,12.2
  pour cut-out: 35.541,20.9 36.2,21.559 36.864,21.559 37.45,20.973 37.45,20.29 36.801,19.641 36.2,19.641 35.541,20.3
  pour cut-out: 42.958,34.01 43.617,34.669 44.282,34.669 44.867,34.083 44.867,33.4 44.218,32.751 43.617,32.751 42.958,33.41
  pour cut-out: 42.958,31.47 43.617,32.129 44.282,32.129 44.867,31.543 44.867,30.86 44.218,30.211 43.617,30.211 42.958,30.87
  pour cut-out: 62.901,31.51 63.56,32.169 64.224,32.169 64.81,31.583 64.81,30.9 64.161,30.251 63.56,30.251 62.901,30.91
  pour cut-out: 62.901,34.05 63.56,34.709 64.224,34.709 64.81,34.123 64.81,33.44 64.161,32.791 63.56,32.791 62.901,33.45
  pour cut-out: 129.091,68.11 129.75,68.769 130.414,68.769 131,68.183 131,67.5 130.351,66.851 129.75,66.851 129.091,67.51

## Silkscreen, mask and mechanical layers (free items; w line width, h text height)
Top Overlay:
  drawing of 74 lines, arcs and shapes, not listed
  text "HIGH VOLTAGE" at 86.777,127.534 h0.97 r180
  text "HIGH VOLTAGE" at 26.755,115.784 h0.97 r180
  text "MOTOR" at 37.496,112.752 h3 r90
  text "MOTOR" at 49.496,112.752 h3 r90
  text "-" at 37.271,108.753 h3 r180
  text "+" at 49.146,108.753 h3 r180
  text "BATTERY" at 72.246,106.754 h3 r90
  text "BATTERY" at 92.496,106.754 h3 r90
  text "+" at 63.929,105.754 h3
  text "-" at 75.929,105.754 h3
  text "M4" at 18.525,81.7 h0.8
  text "HIGH VOLTAGE" at 82.445,80.616 h0.97
  text "HIGH VOLTAGE" at 27.565,80.402 h0.97
  text "-" at 328.15,43.95 h0.8 r90
  text "PDOC" at 82.1,21.5 h2
  text "IMD" at 117.4,21.4 h2
  text "AMS" at 104.8,21.3 h2
  text "Team Swinburne" at 124.056,16.297 h3.05
  text "Formula SAE" at 135.232,14.9 h1.78
  text "Precharge Controller R4" at 136.406,14.011 h1.02
  text "22/12/21 - P.M.C" at 139.331,13.022 h1.02
Bottom Overlay:
  circle w0.254: c95.75,90 r5
  circle w0.254: c152.5,14.25 r5
  circle w0.254: c22.5,14.25 r5
  circle w0.254: c152.5,40 r5
  circle w0.254: c22.5,40 r5
  circle w0.254: c152.5,123.25 r5
  circle w0.254: c95.75,40 r5
  circle w0.254: c152.5,90 r5
  circle w0.254: c22.5,123.25 r5
  circle w0.254: c22.5,90 r4.505
  circle w0.254: c22.5,90 r5
  region: 25.2,97.7 25.683,99.39 25.17,99.188 25.473,100.251 25.701,100.251 25.302,100.649 24.904,100.251 25.086,100.251 24.585,98.657 25.223,98.975 24.585,97.7
  region: 89.416,101.785 89.899,103.476 89.386,103.273 89.69,104.336 89.917,104.336 89.519,104.735 89.12,104.336 89.303,104.336 88.801,102.742 89.439,103.061 88.801,101.785
  lines w0.254: 59.1,83.945 59.1,128.175 ; 359.8,50.85 359.8,73.625
  lines w0.486: 86,105.25 89.262,99.76 92.479,105.25 ; 86.09,105.25 92.569,105.25 ; 21.784,101.165 28.262,101.165 25.046,95.675 21.784,101.165
  text "MOTOR" at 37.496,126.496 h3 r90
  text "MOTOR" at 49.496,126.496 h3 r90
  text "BATTERY" at 72.246,126.496 h3 r90
  text "BATTERY" at 92.496,126.496 h3 r90
  text "-" at 40.279,109.003 h3 r180
  text "+" at 52.154,109.003 h3 r180
  text "FB" at 109.3,106.725 h0.8
  text "AIR-" at 103.025,106.675 h0.8
  text "+" at 65.921,106.004 h3
  text "-" at 77.921,106.004 h3
  text "OPTIONAL CAN TERM" at 128.8,101.45 h0.8
  text "DISCHARGE RELEASE / METHOD" at 108.375,100.25 h0.8
  text "DNP BOTH RESISTORS AT ONCE!" at 108.4,95.625 h0.8
  text "DIO" at 65.525,36.375 h0.8 r180
  text "PDOC" at 88.046,36.279 h1.52
  text "AMS" at 121.871,36.279 h1.52
  text "IMD" at 109.596,36.154 h1.52
  text "CLK" at 62.825,35.45 h0.8
  text "3.3" at 60.025,35.375 h0.8
  text "0" at 64.4,35.35 h0.8
  text "0" at 41.45,34.825 h3 r90
  text "1" at 41.525,31.325 h3 r90
  text "0" at 45.125,29.025 h3 r90
  text "1" at 50.075,28.4 h3 r90
  text "2" at 31.521,21.304 h1.52
  text "1" at 31.296,13.454 h1.52
  text "AMS" at 131.571,11.154 h1.52
  text "PDOC" at 81.821,10.654 h1.52
  text "IMD" at 104.121,10.604 h1.52
Drill Drawing:
  drawing of 159 lines, arcs and shapes, not listed
  text "Symbol" at 9.773,205.35 h1.83
  text "Count" at 22.622,205.35 h1.83
  text "Hole Size" at 39.128,205.35 h1.83
  text "Plated" at 68.329,205.35 h1.83
  text "Hole Type" at 81.179,205.35 h1.83
  text "Drill Layer Pair" at 99.817,205.35 h1.83
  text "Via/Pad" at 137.906,205.35 h1.83
  text "Pad Shape" at 152.888,205.35 h1.83
  text "Template" at 171.831,205.35 h1.83
  text "Description" at 201.033,205.35 h1.83
  text "Hole Tolerance (+)" at 222.718,205.35 h1.83
  text "Hole Tolerance (-)" at 256.592,205.35 h1.83
  text "Hole Length" at 290.466,205.35 h1.83
  text "Routed Path Length" at 318.144,205.35 h1.83
  text "2" at 22.622,201.54 h1.52
  text "23.62mil (0.600mm)" at 39.128,201.54 h1.52
  text "PTH" at 68.329,201.54 h1.52
  text "Slot" at 81.179,201.54 h1.52
  text "Top Layer - Bottom Layer" at 99.817,201.54 h1.52
  text "Pad" at 137.906,201.54 h1.52
  text "Rounded" at 152.888,201.54 h1.52
  text "r170_90h60_140r100" at 171.831,201.54 h1.52
  text "55.12mil (1.400mm)" at 290.466,201.54 h1.52
  text "31.50mil (0.800mm)" at 318.144,201.54 h1.52
  text "2" at 22.622,197.73 h1.52
  text "23.62mil (0.600mm)" at 39.128,197.73 h1.52
  text "PTH" at 68.329,197.73 h1.52
  text "Slot" at 81.179,197.73 h1.52
  text "Top Layer - Bottom Layer" at 99.817,197.73 h1.52
  text "Pad" at 137.906,197.73 h1.52
  text "Rounded" at 152.888,197.73 h1.52
  text "r240_90h60_210r100" at 171.831,197.73 h1.52
  text "82.68mil (2.100mm)" at 290.466,197.73 h1.52
  text "59.06mil (1.500mm)" at 318.144,197.73 h1.52
  text "4" at 22.622,193.92 h1.52
  text "57.09mil (1.450mm)" at 39.128,193.92 h1.52
  text "PTH" at 68.329,193.92 h1.52
  text "Round" at 81.179,193.92 h1.52
  text "Top Layer - Bottom Layer" at 99.817,193.92 h1.52
  text "Pad" at 137.906,193.92 h1.52
  text "Rounded" at 152.888,193.92 h1.52
  text "c350h145" at 171.831,193.92 h1.52
  text "-" at 290.466,193.92 h1.52
  text "-" at 318.144,193.92 h1.52
  text "7" at 22.622,190.11 h1.52
  text "39.37mil (1.000mm)" at 39.128,190.11 h1.52
  text "PTH" at 68.329,190.11 h1.52
  text "Round" at 81.179,190.11 h1.52
  text "Top Layer - Bottom Layer" at 99.817,190.11 h1.52
  text "Pad" at 137.906,190.11 h1.52
  text "(Mixed)" at 152.888,190.11 h1.52
  text "(Mixed)" at 171.831,190.11 h1.52
  text "-" at 290.466,190.11 h1.52
  text "-" at 318.144,190.11 h1.52
  text "8" at 22.622,186.3 h1.52
  text "47.24mil (1.200mm)" at 39.128,186.3 h1.52
  text "PTH" at 68.329,186.3 h1.52
  text "Round" at 81.179,186.3 h1.52
  text "Top Layer - Bottom Layer" at 99.817,186.3 h1.52
  text "Pad" at 137.906,186.3 h1.52
  text "Rounded" at 152.888,186.3 h1.52
  text "c230h120" at 171.831,186.3 h1.52
  text "-" at 290.466,186.3 h1.52
  text "-" at 318.144,186.3 h1.52
  text "8" at 22.622,182.49 h1.52
  text "70.87mil (1.800mm)" at 39.128,182.49 h1.52
  text "PTH" at 68.329,182.49 h1.52
  text "Round" at 81.179,182.49 h1.52
  text "Top Layer - Bottom Layer" at 99.817,182.49 h1.52
  text "Pad" at 137.906,182.49 h1.52
  text "Rounded" at 152.888,182.49 h1.52
  text "c300h180" at 171.831,182.49 h1.52
  text "-" at 290.466,182.49 h1.52
  text "-" at 318.144,182.49 h1.52
  text "8" at 22.622,178.68 h1.52
  text "120.08mil (3.050mm)" at 39.128,178.68 h1.52
  text "PTH" at 68.329,178.68 h1.52
  text "Round" at 81.179,178.68 h1.52
  text "Top Layer - Bottom Layer" at 99.817,178.68 h1.52
  text "Pad" at 137.906,178.68 h1.52
  text "Rounded" at 152.888,178.68 h1.52
  text "c152h305" at 171.831,178.68 h1.52
  text "-" at 290.466,178.68 h1.52
  text "-" at 318.144,178.68 h1.52
  text "9" at 22.622,174.87 h1.52
  text "25.20mil (0.640mm)" at 39.128,174.87 h1.52
  text "PTH" at 68.329,174.87 h1.52
  text "Round" at 81.179,174.87 h1.52
  text "Top Layer - Bottom Layer" at 99.817,174.87 h1.52
  text "Pad" at 137.906,174.87 h1.52
  text "Rounded" at 152.888,174.87 h1.52
  text "c203h64" at 171.831,174.87 h1.52
  text "-" at 290.466,174.87 h1.52
  text "-" at 318.144,174.87 h1.52
  text "10" at 22.622,171.06 h1.52
  text "165.35mil (4.200mm)" at 39.128,171.06 h1.52
  text "NPTH" at 68.329,171.06 h1.52
  text "Round" at 81.179,171.06 h1.52
  text "Top Layer - Bottom Layer" at 99.817,171.06 h1.52
  text "Pad" at 137.906,171.06 h1.52
  text "Rounded" at 152.888,171.06 h1.52
  text "c0hn420" at 171.831,171.06 h1.52
  text "-" at 290.466,171.06 h1.52
  text "-" at 318.144,171.06 h1.52
  text "16" at 22.622,167.25 h1.52
  text "15.75mil (0.400mm)" at 39.128,167.25 h1.52
  text "PTH" at 68.329,167.25 h1.52
  text "Round" at 81.179,167.25 h1.52
  text "Top Layer - Bottom Layer" at 99.817,167.25 h1.52
  text "Pad" at 137.906,167.25 h1.52
  text "Rounded" at 152.888,167.25 h1.52
  text "c65h40" at 171.831,167.25 h1.52
  text "-" at 290.466,167.25 h1.52
  text "-" at 318.144,167.25 h1.52
  text "26" at 22.622,163.44 h1.52
  text "72.84mil (1.850mm)" at 39.128,163.44 h1.52
  text "PTH" at 68.329,163.44 h1.52
  text "Round" at 81.179,163.44 h1.52
  text "Top Layer - Bottom Layer" at 99.817,163.44 h1.52
  text "Pad" at 137.906,163.44 h1.52
  text "Rounded" at 152.888,163.44 h1.52
  text "c300h185" at 171.831,163.44 h1.52
  text "-" at 290.466,163.44 h1.52
  text "-" at 318.144,163.44 h1.52
  text "52" at 22.622,159.63 h1.52
  text "35.43mil (0.900mm)" at 39.128,159.63 h1.52
  text "PTH" at 68.329,159.63 h1.52
  text "Round" at 81.179,159.63 h1.52
  text "Top Layer - Bottom Layer" at 99.817,159.63 h1.52
  text "Pad" at 137.906,159.63 h1.52
  text "(Mixed)" at 152.888,159.63 h1.52
  text "(Mixed)" at 171.831,159.63 h1.52
  text "-" at 290.466,159.63 h1.52
  text "-" at 318.144,159.63 h1.52
  text "102" at 22.622,155.82 h1.52
  text "13.00mil (0.330mm)" at 39.128,155.82 h1.52
  text "PTH" at 68.329,155.82 h1.52
  text "Round" at 81.179,155.82 h1.52
  text "Top Layer - Bottom Layer" at 99.817,155.82 h1.52
  text "Via" at 137.906,155.82 h1.52
  text "Rounded" at 152.888,155.82 h1.52
  text "(Mixed)" at 171.831,155.82 h1.52
  text "-" at 290.466,155.82 h1.52
  text "-" at 318.144,155.82 h1.52
  text "779" at 22.622,152.01 h1.52
  text "12.99mil (0.330mm)" at 39.128,152.01 h1.52
  text "PTH" at 68.329,152.01 h1.52
  text "Round" at 81.179,152.01 h1.52
  text "Top Layer - Bottom Layer" at 99.817,152.01 h1.52
  text "Via" at 137.906,152.01 h1.52
  text "Rounded" at 152.888,152.01 h1.52
  text "(Mixed)" at 171.831,152.01 h1.52
  text "-" at 290.466,152.01 h1.52
  text "-" at 318.144,152.01 h1.52
  text "1033 Total" at 22.622,148.2 h1.52
  text "Slot definitions :" at 9.773,144.518 h1.52
  text "Routed Path Length" at 36.003,144.518 h1.52
  text "= Calculated from tool start centre position to tool end centre position." at 64.011,144.518 h1.52
  text "Hole Length" at 36.003,141.978 h1.52
  text "= Routed Path Length + Tool Size = Slot length as defined in the PCB layout" at 53.601,141.978 h1.52
  text "FABRICATION NOTES" at 169.359,132.472 h3
  text "1. QUANTITY: 5" at 169.359,127.376 h3
  text "2. SIZE:" at 169.359,122.279 h3
  text "3. LAYERS: 4" at 169.359,117.183 h3
  text "6. SOLDER MASKS: Red" at 169.159,111.501 h3
  text "7. SILKSCREEN: White" at 169.159,106.404 h3
  text "8. SURFACE FINISH: HASL (With Lead)" at 169.159,101.308 h3
  text "9 FINISHED COPPER: 2oz Cu" at 169.159,96.212 h3
  text "10. TOTAL THICKNESS: 1.6mm" at 169.159,91.115 h3

## Dimensions
22.5,128.25 to 22.5,9.25 on Drill Drawing
17.5,123.25 to 157.5,120.75 on Drill Drawing

## Text inside footprints (layer, text, board x,y; h text height)
U12: Bottom Overlay "HV-" at 40,92.5 h2.5; Bottom Overlay "HV+" at 52.5,92.5 h2.5